# Altium PCB PyESPCar_Z1.PcbDoc
Units mm, origin at the board's own origin, x right, y up, seen from the top; angles counter-clockwise.
Board outline 90 x 86 mm, 2 copper layers (Top Layer, Bottom Layer); 52 components, 49 nets, 251 pads, 39 vias.
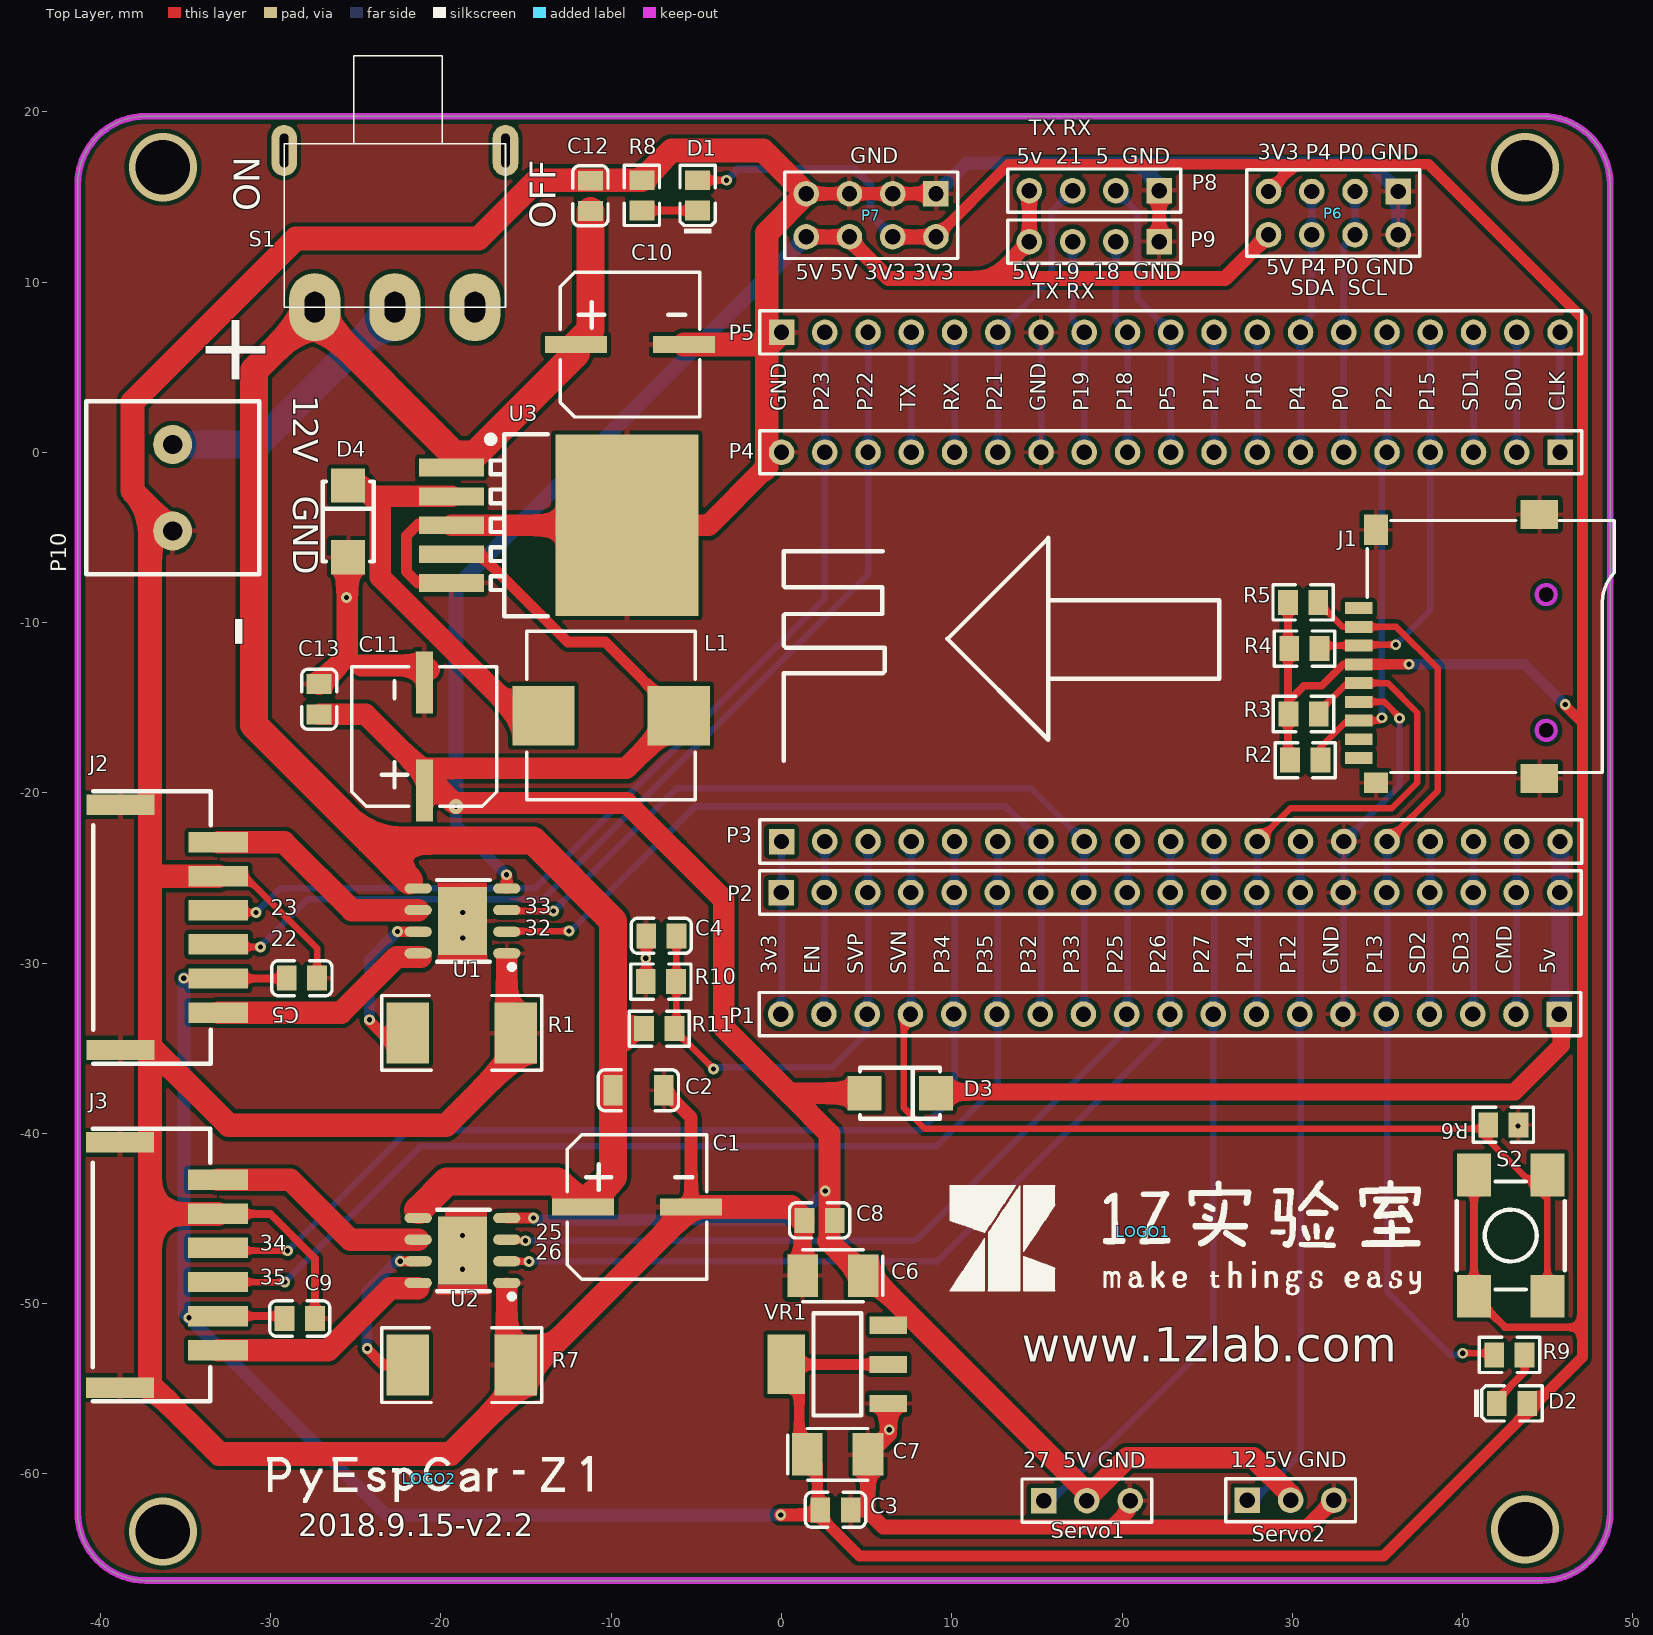
[diagram p0: Top Layer view]
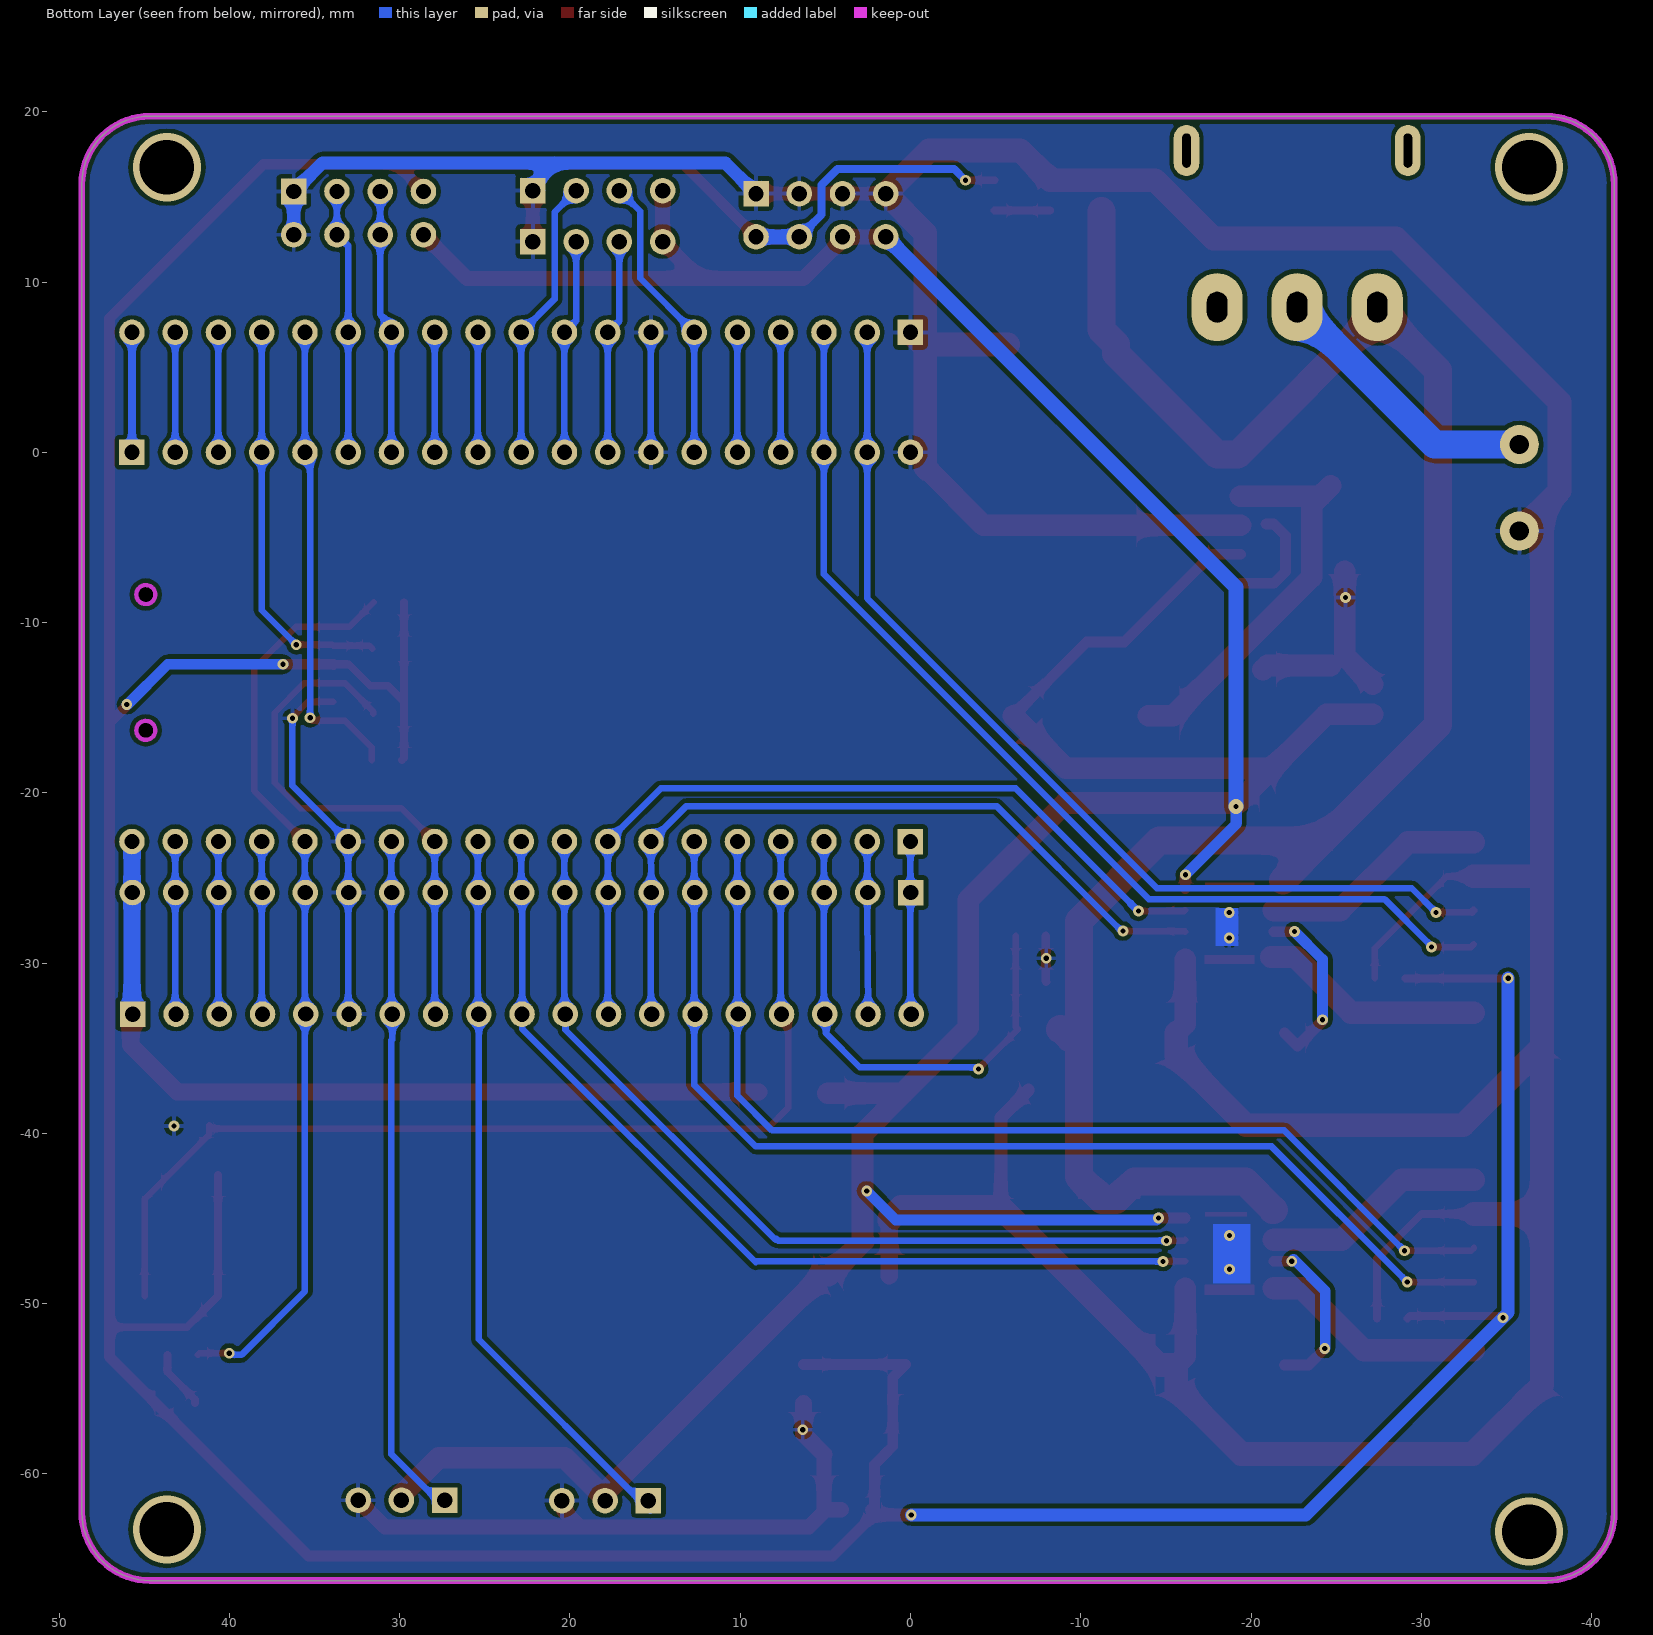
[diagram p1: Bottom Layer view, seen from below]

## Layer stack, top to bottom
Top Solder: solder mask 0.0102, Solder Resist, Dk 3.5
Top Layer: signal copper 0.0356
Dielectric1: core 0.32, FR-4, Dk 4.8
Bottom Layer: signal copper 0.0356
Bottom Solder: solder mask 0.0102, Solder Resist, Dk 3.5

## Board outline
-41.336,-62.262 ccw(c-37.336,-62.262) -37.336,-66.262 44.664,-66.262 ccw(c44.664,-62.262) 48.664,-62.262 48.664,15.738 ccw(c44.664,15.738) 44.664,19.738 -37.336,19.738 ccw(c-37.336,15.738) -41.336,15.738
cut-out: 44.348,-16.332 ccw(c44.907,-16.332) 44.907,-16.891 ccw(c44.907,-16.332) 45.466,-16.332 ccw(c44.907,-16.332) 44.907,-15.773 ccw(c44.907,-16.332)
cut-out: 44.348,-8.357 ccw(c44.907,-8.357) 44.907,-8.915 ccw(c44.907,-8.357) 45.466,-8.357 ccw(c44.907,-8.357) 44.907,-7.798 ccw(c44.907,-8.357)

## Design rules (kind name [scope] priority, off if disabled: settings)
Clearance [All] p1: gap=0.254 ignorepadtopadclearanceinfootprint=FALSE except(0: Arc-Hole Track-Hole SMDPad-Hole THPad-Hole Via-Hole Fill-Hole Poly-Hole Region-Hole Text-Hole)
HoleSize [All] p1: absolutevalues=TRUE maxlimit=5.08 minlimit=0.025 maxpercent=80.000 minpercent=20.000
PolygonConnect [All] p1: connectstyle=Relief reliefconductorwidth=0.254 reliefentries=4 polygonreliefangle="90 Angle" airgapwidth=0.254
RoutingVias [All] p1: holewidth=0.6 width=1 viastyle="Through Hole" minholewidth=0.025 minwidth=0.025 maxholewidth=0.711 maxwidth=1.27
SolderMaskExpansion [All] p1: expansion=0.102
Width [All] p1: maxlimit=1.651 minlimit=0.254 preferedwidth=1.27
29 further rules are at their usual default settings.

## Components (designator, comment, footprint, x,y, rotation, side; value= is the part's Value field where it differs from the comment)
C1 "220uF 35V" CAPM8485X103N -8.484,-44.323 r0 top value=220uF35V
C2 "4.7uF (475) 10% 50V" 1206_C -8.407,-37.465 r180 top
C3 "100nF(104) 10% 50V" 0805_C 3.17,-62.108 r180 top
C4 "100nF(104) 10% 50V" 0805_C -7.061,-28.397 r180 top
C5 "100nF(104) 10% 50V" 0805_C -28.169,-30.886 r180 top
C6 "22uF(226)±20% 10V" CAP-3528 3.017,-48.366 r180 top
C7 "22uF(226)±20% 10V" CAP-3528 3.297,-58.856 r0 top
C8 "100nF(104) 10% 50V" 0805_C 2.235,-45.11 r0 top
C9 "100nF(104) 10% 50V" 0805_C -28.296,-50.876 r180 top
C10 "220uF 35V" CAPM8485X103N -8.902,6.323 r0 top value=220uF35V
C11 "220uF 35V" CAPM8485X103N -20.98,-16.688 r90 top value=220uF35V
C12 "100nF(104) 10% 50V" 0805_C -11.227,15.062 r270 top
C13 "100nF(104) 10% 50V" 0805_C -27.153,-14.503 r270 top
D1 "红灯 0805" 0805_LED_S1 -4.928,15.088 r90 top
D2 "红灯 0805" 0805_LED_S1 42.901,-55.855 r0 top
D3 "SS54" SMA(DO-214AC)_S1 6.96,-37.643 r180 top
D4 "SS54" SMA(DO-214AC)_S1 -25.451,-4.064 r270 top
J1 "SDCARD-M" SDCARD-M 44.907,-11.405 r0 top locked
J2 "PH-PS-2.0-6" PH-PS-2.0-6 -40.421,-35.905 r90 top
J3 "PH-PS-2.0-6" PH-PS-2.0-6 -40.446,-55.729 r90 top
L1 "33uH ±20%" CAPM100100X103N -10.008,-15.469 r0 top value=33uH
LOGO1 "LOGO_1ZLAB" 1ZLAB_LOGO 21.234,-45.771 r0 top
LOGO2 "LOGO_CAR" car_logo -20.676,-60.274 r0 top
P1 "Header 19" HDR1X19 45.669,-32.995 r180 top locked
P2 "Header 19 排母" HDR1X19 -0.025,-25.857 r0 top
P3 "Header 19 排母" HDR1X19 0,-22.86 r0 top
P4 "Header 19 排母" HDR1X19 45.72,0 r180 top
P5 "Header 19" HDR1X19 0,7.04 r0 top
P6 "Header 4X2" HDR2X4 36.22,15.316 r180 top
P7 "Header 4X2" HDR2X4 9.068,15.189 r180 top
P8 "Header 4" HDR1X4 22.174,15.367 r180 top
P9 "Header 4" HDR1X4 22.174,12.37 r180 top
P10 "KF128-2P" HDR2X1_D1 -35.763,-2.083 r90 top
R1 "0.25Ω（2512）1W,1%" 2512 -18.79,-34.101 r180 top value=0.25Ω
R2 "10KΩ (1002) ±1%" 0805_R 30.758,-18.085 r0 top
R3 "10KΩ (1002) ±1%" 0805_R 30.657,-15.367 r0 top
R4 "10KΩ (1002) ±1%" 0805_R 30.708,-11.532 r0 top
R5 "10KΩ (1002) ±1%" 0805_R 30.631,-8.814 r0 top
R6 "1.5KΩ (1501) ±1%" 0805_R 42.393,-39.497 r180 top
R7 "0.25Ω（2512）1W,1%" 2512 -18.79,-53.608 r180 top value=0.25Ω
R8 "1.5KΩ (1501) ±1%" 0805_R -8.204,15.088 r270 top
R9 "1.5KΩ (1501) ±1%" 0805_R 42.749,-53.01 r0 top
R10 "1KΩ (1001) ±1%" 0805_R -7.087,-31.09 r0 top
R11 "10KΩ (1002) ±1%" 0805_R -7.182,-33.854 r180 top
S1 "SS-12D11-G6" SW-3 -22.428,14.072 r0 top
S2 "贴片 6*6*5 微动开关" SW_PB4_A1 42.824,-45.999 r270 top
Servo1 "Header 3" HDR1X3 15.392,-61.57 r0 top
Servo2 "Header 3" HDR1X3 27.356,-61.544 r0 top
U1 "A4950ELJTR-T" SOP-8_EP_150mil -18.739,-27.522 r90 top locked
U2 "A4950ELJTR-T" SOP-8_EP_150mil -18.739,-46.877 r90 top locked
U3 "LM2596T-5V(S)" TO-263-5 -19.384,-4.286 r180 top
VR1 "AMS1117-3.3" SOT-223 3.277,-53.569 r0 top

## Footprints (in the part's own frame and the unit in brackets; to place one, negate y for a bottom-side part, rotate by r counter-clockwise, add the part's x,y. Pads: shape width x height; smd on the part's side, far side on the other; paste and mask are expansions set on the pad)
1ZLAB_LOGO [mm]
  silkscreen extent -11.37,-3.72 16.31,3.02
0805_C [mm]
  rect 1.16x1.47 smd: 1(-0.89,0) 2(0.89,0)
  silkscreen extent -1.77,-1.04 1.77,1.04, body extent -1,-0.62 1,0.63, height 0.77
0805_LED_S1 [mm]
  rect 1.16x1.47 smd: A(0.89,0) K(-0.89,0)
  silkscreen extent -2.25,-1.04 1.77,1.03, body extent -1.01,-0.62 1.01,0.62, height 1.1
0805_R [mm]
  rect 1.16x1.47 smd: 1(-0.89,0) 2(0.89,0)
  silkscreen extent -1.77,-1.04 1.77,1.03, body extent -1,-0.62 1,0.63, height 0.49
1206_C [mm]
  rect 1.13x1.8 smd: 1(-1.49,0) 2(1.49,0)
  silkscreen extent -2.36,-1.2 2.36,1.2, body extent -1.6,-0.81 1.6,0.79, height 1
2512 [mm] "保险丝"
  rect 2.5x3.6 smd: 1(-3.175,0) 2(3.175,0)
  silkscreen extent -4.7,-2.2 4.7,2.2, body extent -3.18,-1.65 3.18,1.65, height 1.2
CAP-3528 [mm] "钽电容"
  rect 1.8x2.5 smd: 1(-1.778,0) 2(1.778,0)
  silkscreen extent -2.92,-1.52 1.78,1.52, body extent -1.91,-1.4 1.91,1.4, height 1.1
CAPM8485X103N [mm] "Molded Capacitor, 2-Leads, Body 8.40x8.50mm, IPC Medium Density"
  rect 3.65x1 smd: 1(-3.175,0) 2(3.175,0)
  silkscreen extent -4.1,-4.25 4.1,4.25, body extent -4.1,-4.2 4.1,4.2, height 10.3
CAPM100100X103N [mm] "Molded Capacitor, 2-Leads, Body 10.00x10.00mm, IPC Medium Density"
  rect 3.65x3.5 smd: 1(-3.975,0) 2(3.975,0)
  silkscreen extent -4.95,-4.95 4.95,4.95, body extent -4.9,-4.9 4.9,4.9, height 10.3
car_logo [mm]
  silkscreen extent -9.54,-1.38 9.54,1.3
HDR1X3 [mm] "Connector; Header; 3 Position"
  rect 1.5x1.5 hole 0.9: 1(0,0)
  round 1.5 hole 0.9: 2(2.54,0) 3(5.08,0)
  silkscreen extent -1.27,-1.27 6.35,1.27
HDR1X4 [mm] "Connector; Header; 4 Position"
  rect 1.5x1.5 hole 0.9: 1(0,0)
  round 1.5 hole 0.9: 2(2.54,0) 3(5.08,0) 4(7.62,0)
  silkscreen extent -1.27,-1.27 8.89,1.27
HDR1X19 [mm] "Connector; Header; 19 Position"
  rect 1.5x1.5 hole 0.9: 1(0,0)
  round 1.5 hole 0.9: 2(2.54,0) 3(5.08,0) 4(7.62,0) 5(10.16,0) 6(12.7,0) 7(15.24,0) 8(17.78,0) 9(20.32,0) 10(22.86,0) 11(25.4,0) 12(27.94,0) 13(30.48,0) 14(33.02,0) 15(35.56,0) 16(38.1,0) 17(40.64,0) 18(43.18,0) 19(45.72,0)
  silkscreen extent -1.27,-1.27 46.99,1.27
HDR2X1_D1 [mil] "5.08mm端子"
  round 90 hole 45: 1(-100,0) 2(100,0)
  silkscreen extent -200,-200 200,200
HDR2X4 [mm] "Connector; Header; 4x2 Position"
  rect 1.5x1.5 hole 0.9: 1(0,0)
  round 1.5 hole 0.9: 2(0,2.54) 3(2.54,0) 4(2.54,2.54) 5(5.08,0) 6(5.08,2.54) 7(7.62,0) 8(7.62,2.54)
  silkscreen extent -1.27,-1.27 8.89,3.81
PH-PS-2.0-6 [mm]
  rect 1.2x4 smd: 0(0.8,-1.6) 0(15.2,-1.6)
  rect 1.2x3.5 smd: 1(3,-7.35) 2(5,-7.35) 3(7,-7.35) 4(9,-7.35) 5(11,-7.35) 6(13,-7.35)
  silkscreen extent 0,-6.9 16,0
SDCARD-M [mm] "TF卡"
  rect 1.6x0.7 smd: 1(-11.008,2.25) 2(-11.008,1.15) 3(-11.008,0.05) 4(-11.008,-1.05) 5(-11.008,-2.15) 6(-11.008,-3.25) 7(-11.008,-4.35) 8(-11.008,-5.45) 9(-11.008,-6.55)
  rect 1.4x1.2 smd: 10(-10,-8.004)
  rect 2.2x1.7 smd: 11(-0.4,-7.75) 13(-0.4,7.75)
  rect 1.4x1.8 smd: 12(-10,6.85)
  silkscreen extent -10.5,-7.4 4,7.4
SMA(DO-214AC)_S1 [mm]
  rect 2x2 smd: 1(2.1,0) 2(-2.1,0)
  silkscreen extent -2.35,-1.5 2.35,1.5
SOP-8_EP_150mil [mm]
  rect 4x2.9 smd: 0(0,0)
  oval 0.6x1.6 smd: 1(-1.905,-2.6) 2(-0.635,-2.6) 3(0.635,-2.6) 4(1.905,-2.6) 5(1.905,2.6) 6(0.635,2.6) 7(-0.635,2.6) 8(-1.905,2.6)
  silkscreen extent -2.85,-3.05 2.4,1.5
SOT-223 [mm]
  rect 2.2x1 smd: 1(3,-2.3) 2(3,0) 3(3,2.3)
  rect 2.2x3.5 smd: 2(-3,0)
  silkscreen extent -1.4,-3 1.4,3, body extent -3.49,-3.24 3.49,3.24, height 1.64
SW-3 [mm]
  oval 1.5x3 hole 0.5 slot 2 at 90 deg: 0(-6.784,3.649) 0(6.216,3.649)
  oval 3x4 hole 1.2 slot 1.8 at 90 deg: 1(-4.984,-5.551) 2(-0.284,-5.551) 3(4.416,-5.551)
  silkscreen extent -6.78,-5.55 6.22,9.22
SW_PB4_A1 [mm]
  rect 2.5x2 smd: 1(-3.556,2.159) 2(-3.556,-2.159) 3(3.556,-2.159) 4(3.556,2.159)
  silkscreen extent -3.18,-3.18 3.18,3.18, body extent -3.18,-3.17 3.18,3.18, height 6
TO-263-5 [mm]
  rect 8.4x10.65 smd: 0(-10.3,0)
  rect 3.8x1.05 smd: 1(0,-3.4) 2(0,-1.7) 3(0,0) 4(0,1.7) 5(0,3.4)
  silkscreen extent -5.65,-5.35 -2.1,5.35

## Part data
C1: library part "Cap Pol1", "贴片电解电容", LatestRevisionDate=17-Jul-2002, LatestRevisionNote="Re-released for DXP Platform.", PackageDescription="Polarized Capacitor (Radial); 2 Leads", PackageReference=RB7.6-15, Published=8-Jun-2000, Publisher="Altium Limited"
C2: library part "1206 4.7uF (475) 10% 50V", "贴片电容", Package=1206, SuppliersPartNumber=C29823, ComponentLink1Description=供应商链接, ComponentLink1URL=http://www.szlcsc.com/product/details_30577.html, Supplier=LC
C3 C4 C5 C8 C9 C12 C13: library part "0805 100nF(104) 10% 50V", "贴片电容", Package=0805, SuppliersPartNumber=C49678, ComponentLink1Description=供应商链接, ComponentLink1URL=http://www.szlcsc.com/product/details_50686.html, Supplier=LC
C6 C7: library part "Cap Pol", "钽电容", LatestRevisionDate=17-Jul-2002, LatestRevisionNote="Re-released for DXP Platform.", PackageReference=RB7.6-15, Published=8-Jun-2000, Publisher="Altium Limited", Vol=16V
C10 C11: library part "Cap Pol1", "贴片铝解电容", LatestRevisionDate=17-Jul-2002, LatestRevisionNote="Re-released for DXP Platform.", PackageDescription="Polarized Capacitor (Radial); 2 Leads", PackageReference=RB7.6-15, Published=8-Jun-2000, Publisher="Altium Limited"
D1 D2: library part "0805 红灯", "发光二极管", Package=0805, SuppliersPartNumber=C2295, ComponentLink1Description=供应商链接, ComponentLink1URL=http://www.szlcsc.com/product/details_2668.html, Supplier=LC
D3 D4: library part "SMA(DO-214AC) SS54", "二极管", Package=SMA(DO-214AC), SuppliersPartNumber=C22452, ComponentLink1Description=供应商链接, ComponentLink1URL=http://www.szlcsc.com/product/details_23178.html, Supplier=LC
J1: "TF卡槽"
L1: library part Inductor, "功率电感 MS104R-330MT", Code_IEC=1005, Code_JEITA=0402, LatestRevisionDate=29-May-2009, LatestRevisionNote="IPC-7351 Footprint Added.", PackageDescription="Chip Inductor", PackageReference=0402-A, Published=8-Jun-2000, Publisher="Altium Limited"
P1 P5: "Header, 19-Pin 排针", LatestRevisionDate=17-Jul-2002, LatestRevisionNote="Re-released for DXP Platform.", Publisher="Altium Limited"
P2 P3 P4: library part "Header 19", "Header, 19-Pin 排母", LatestRevisionDate=17-Jul-2002, LatestRevisionNote="Re-released for DXP Platform.", Publisher="Altium Limited"
P6 P7: "Header, 4-Pin, Dual row", LatestRevisionDate=17-Jul-2002, LatestRevisionNote="Re-released for DXP Platform.", Publisher="Altium Limited"
P8 P9: "Header, 4-Pin", LatestRevisionDate=17-Jul-2002, LatestRevisionNote="Re-released for DXP Platform.", Publisher="Altium Limited"
P10: library part "Header 2", "5.08mm端子", LatestRevisionDate=17-Jul-2002, LatestRevisionNote="Re-released for DXP Platform.", Publisher="Altium Limited"
R1 R7: library part Res3, "超低阻值电阻", LatestRevisionDate=29-May-2009, LatestRevisionNote="IPC-7351 Footprint Added.", PackageDescription="Chip Resistor", PackageReference=J1-0603, Published=8-Jun-2000, Publisher="Altium Limited"
R2 R3 R4 R5 R10 R11: library part "0805 1KΩ (1001) 1%", "贴片电阻", Package=0805, SuppliersPartNumber=C17513, ComponentLink1Description=供应商链接, ComponentLink1URL=http://www.szlcsc.com/product/details_18201.html, Supplier=LC
R6 R8 R9: library part "0603 1.5KΩ (1501) 1%", "贴片电阻", Package=0603, SuppliersPartNumber=C22843, ComponentLink1Description=供应商链接, ComponentLink1URL=http://www.szlcsc.com/product/details_23570.html, Supplier=LC
S1: library part SW-SPDT, "拨动开关2档带固定脚黑色短柄 3脚侧", ComponentLink1Description="Manufacturer Link", ComponentLink1URL=http://www.apem.com, DatasheetVersion=05-Dec-2000, LatestRevisionDate=17-Dec-2003, LatestRevisionNote="Schematic revised, PCB Footprint replaced.", PackageDescription="Switch; 4 Leads", PackageReference=TL36WW15050, Published=24-Mar-1999, Publisher="Altium Limited"
S2: library part SW-PB4, LatestRevisionDate=17-Jul-2002, LatestRevisionNote="Re-released for DXP Platform.", PackageReference=SPST-2, Published=24-Mar-1999, Publisher="Altium Limited"
Servo1 Servo2: "Header, 3-Pin", LatestRevisionDate=17-Jul-2002, LatestRevisionNote="Re-released for DXP Platform.", Publisher="Altium Limited"
U1: library part A4950, "A4950 电机驱动"
U2: library part A4950, "A4950电机驱动"
U3: "稳压芯片"
VR1: library part "SOT-223 AMS1117-3.3", "低压差线性稳压(LDO)", Package=SOT-223, SuppliersPartNumber=C6186, ComponentLink1Description=供应商链接, ComponentLink1URL=http://www.szlcsc.com/product/details_6652.html, Supplier=LC

## Via types
v1: diameter 0.635, hole 0.305, Top Layer to Bottom Layer, 34 vias
v2: diameter 4, hole 3.2, Top Layer to Bottom Layer, 4 vias
v3: diameter 0.889, hole 0.305, Top Layer to Bottom Layer, 1 vias

## Nets (pads, with @x,y where several pads share a name; then routed paths per layer and width w, separated by ;. In a path a pad name is that pad's centre, name@x,y a point inside that pad or via, vN(x,y) a via of type N, cw(c..) or ccw(c..) an arc to the next point about the centre after c; other vN are vias at no path point)
3.3v: P1.19 P2.1 P3.1 | length 10.2
  Bottom Layer w0.381: P1.19@-0.127,-33 0,-32.873 P3.1
3V3: C3.2 C5.2 C7.1 C9.2 D1.A D2.A J1.4 J2.2 J3.2 P6.7 P7.2 P7.4 R2.1 R3.1 R4.1 R5.1 S2.2 S2.3 VR1.2 | length 309.4
  Top Layer w0.457: v1@-35.084,-30.905 J2.2 -29.077,-30.905 C5.2 ; J3.2@-34.702,-50.729 J3.2 -29.332,-50.729 C9.2 ; D1.A v1(-3.225,15.978) ; R5.1 29.741,-14.605 ; R2.1 29.741,-17.958 29.741,-14.605 ; J1.4 32.986,-12.455 31.725,-13.716 30.683,-13.716 29.794,-14.605 29.741,-14.605 ; S2.2 S2.3 42.494,-51.384 47.042,-51.384
  Top Layer w0.635: VR1.2@6.277,-53.569 0.277,-53.569 1.041,-54.333 1.041,-58.379 C7.1 1.519,-58.872 2.108,-59.461 2.108,-61.936 C3.2 2.28,-62.529 4.572,-64.821 35.357,-64.821 47.042,-53.136 47.042,-51.384 47.042,-15.824 ; P7.2 13.335,16.916 30.201,16.916 ; P6.7 30.201,16.916 ; J1.4 33.916,-12.471 33.941,-12.446 v1(36.855,-12.446) ; v1(46.025,-14.808) 46.025,-14.884 46.965,-15.824 ; 47.042,-15.799 47.042,7.871 37.996,16.916 30.201,16.916
  Top Layer w0.762: v1(-0.051,-62.408) 1.98,-62.408 C3.2
  Top Layer w0.889: P7.4 P7.2
  Bottom Layer w0.457: v1(-3.225,15.978) -2.565,16.637 4.283,16.637 5.22,15.7 5.22,13.957 P7.4
  Bottom Layer w0.635: v1(36.855,-12.446) 43.578,-12.446 43.604,-12.471 43.62,-12.455 45.974,-14.808 v1(46.025,-14.808)
  Bottom Layer w0.762: v1(-35.103,-30.886) -35.103,-50.521 v1(-34.798,-50.825) -23.216,-62.408 v1(-0.051,-62.408)
  Bottom Layer w0.889: P7.4 P7.2
5V: C6.1 C8.2 C11.1 C13.2 D3.1 L1.2 P6.8 P7.6 P7.8 P8.4 P9.4 Servo1.2 Servo2.2 U1.4 U2.4 U3.4 VR1.3 | length 227.1
  Top Layer w0.635: U3.4 -17.717,-5.986 -12.553,-11.151 -10.351,-11.151 L1.2 ; v1(-16.154,-24.816) -16.139,-24.831 U1.4 ; U2.4 v1(-14.565,-44.972) ; v1(2.565,-43.383) v1@2.565,-43.282
  Top Layer w0.889: P7.8 3.835,12.649 6.274,10.211 12.395,10.211 ; P8.4 P9.4 12.395,10.211 ; P6.8 26.035,10.211 12.395,10.211
  Top Layer w1.27: C13.2 -24.434,-15.393 v3@-19.228,-20.599 ; C11.1@-21.133,-18.517 -21.082,-18.567 -9.131,-18.567 L1.2 ; v3@-19.126,-20.599 -9.093,-20.599 -3.404,-26.289 -3.404,-33.807 0.47,-37.681 ; v1@2.814,-43.383 2.814,-46.214 2.729,-46.299 C6.1 5.212,-48.366 Servo1.2@17.831,-60.985 ; v1@2.814,-43.282 2.814,-40.025 0.47,-37.681 ; D3.1 0.508,-37.643 0.47,-37.681 ; Servo1.2@17.856,-61.493 20.295,-59.055 27.711,-59.055 29.896,-61.239 Servo2.2
  Bottom Layer w0.635: v3(-19.126,-20.803) -19.126,-21.844 v1(-16.154,-24.816) ; v1(-14.565,-44.972) -14.453,-45.085 0.864,-45.085 v1(2.565,-43.383)
  Bottom Layer w0.889: v3(-19.126,-20.803) -19.126,-7.925 P7.8
5VIN: D3.2 P1.1 P2.19 P3.19 | length 50.1
  Top Layer w1.016: D3.2@8.89,-37.567 43.053,-37.567 45.796,-34.823 45.796,-33.198 P1.1@45.593,-32.995
  Bottom Layer w1.016: P1.1@45.72,-32.995 P3.19
12IN: P10.2 S1.2 | length 16.4
  Bottom Layer w1.651: P10.2 -30.776,0.457 S1.2
12V: C1.1 C2.2 C10.1 C12.2 R11.2 S1.1 U1.5 U2.5 U3.1 | length 114.5
  Top Layer w1.651: S1.1 S1.1@-27.413,8.376 ; S1.1@-27.34,8.448 S1.1@-27.413,8.376 ; -21.869,-25.146 -24.206,-22.809 ; -21.339,-44.502 -21.269,-44.502 -21.269,-44.43 -19.663,-42.824 -13.157,-42.824 -12.065,-43.917 -11.252,-43.917 -9.897,-42.562 C2.2 -9.897,-27.517 -14.605,-22.809 -24.206,-22.809 ; C12.2 -11.227,7.173 C10.1 -12.077,5.805 -18.003,-0.122 -19.233,-0.122 -27.413,8.058 S1.1@-27.413,8.376 ; -9.368,-34.413 -8.839,-33.884 -8.788,-33.884 ; S1.1@-27.413,8.376 -30.988,4.801 -30.988,-16.027 -24.206,-22.809
ADC: C4.1 P1.17 P2.3 P3.3 R10.2 R11.1 | length 30
  Top Layer w0.381: C4.1 -6.171,-33.733 R11.1 -6.292,-33.916 v1(-3.988,-36.22)
  Bottom Layer w0.381: v1(-3.988,-36.22) -3.886,-36.119 2.972,-36.119 4.953,-34.138 4.953,-33.223 5.08,-33.096 P3.3
AO1: J2.6 U1.6 | length 13.4
  Top Layer w1.321: J2.6 -29.216,-22.905 -25.233,-26.887 U1.6
AO2: J2.1 U1.8 | length 13.2
  Top Layer w1.321: J2.1 -25.869,-32.905 -22.606,-29.642 U1.8@-21.184,-29.642
BNT: P1.16 P2.4 P3.4 R6.2 S2.1 S2.4 | length 62.2
  Top Layer w0.381: P1.16 7.29,-32.995 7.188,-33.096 7.188,-38.506 8.407,-39.726 40.969,-39.726 41.172,-39.522 41.172,-40.055 44.983,-43.866 S2.4
  Bottom Layer w0.381: P1.16@7.62,-32.995 P3.4
BO1: J3.6 U2.6 | length 13.2
  Top Layer w1.321: J3.6 -28.848,-42.729 -25.335,-46.242 U2.6
BO2: J3.1 U2.8 | length 13.3
  Top Layer w1.321: J3.1 -26.618,-52.729 -22.987,-49.098 -21.336,-49.098
CLK: P4.1 P5.19 | length 7
  Bottom Layer w0.457: P4.1 P5.19
CMD: P1.2 P2.18 P3.18 | length 10.2
  Bottom Layer w0.381: P1.2 43.18,-32.944 P3.18
GND: C1.2 C2.1 C3.1 C4.2 C5.1 C6.2 C7.2 C8.1 C9.1 C10.2 C11.2 C12.1 C13.1 D4.1 J1.6 J1.10 J1.11 J1.12 J1.13 J2.0 J2.5 J3.0 J3.5 P1.6 P2.14 P3.14 P4.13 P4.19 P5.1 P5.7 P6.1 P6.2 P7.1 P7.3 P7.5 P7.7 P8.1 P9.1 P10.1 R1.1 R6.1 R7.1 R8.1 R10.1 Servo1.3 Servo2.3 U1.0 U1.1 U2.0 U2.1 U3.0 U3.3 U3.5 VR1.1 | length 401.1
  Top Layer w0.381: J2.5 -31.508,-24.905 -27.279,-29.135 C5.1 ; J1.6 35.392,-14.655 36.297,-15.559 v1(36.297,-15.621)
  Top Layer w0.457: J3.5 -30.023,-44.729 -27.406,-47.347 C9.1
  Top Layer w0.508: R10.1 -7.951,-31.064 C4.2
  Top Layer w0.635: U3.3@-20.879,-4.216 -21.336,-4.216 -22.022,-4.902 -22.022,-7.01 -21.346,-7.686 U3.5
  Top Layer w0.762: C2.1 -5.309,-39.074 C1.2 ; P7.7 P7.5 P7.3 P7.1 ; P9.1 P8.1
  Top Layer w0.889: C3.1 4.796,-62.108 5.075,-61.829 ; C7.2 5.075,-61.829 ; 19.431,-63.094 Servo1.3@20.371,-62.154 ; Servo2.3 30.861,-63.119 5.969,-63.119 5.075,-62.225 5.075,-61.829
  Top Layer w1.016: C6.2 1.239,-45.216 C8.1 ; C7.2 6.277,-57.655 VR1.1
  Top Layer w1.27: C13.1 -25.502,-11.962 D4.1@-25.502,-6.983 ; -24.683,-12.522 -20.955,-12.522 C11.2@-20.701,-12.776 ; U3.3 U3.0 -4.286,-4.286 -1.003,-1.003 ; -16.139,-49.098 -16.139,-53.084 R7.1 ; -16.139,-29.769 -16.139,-33.577 R1.1
  Top Layer w1.397: P10.1 -37.084,-3.302 ; J3.5 -37.084,-44.729 ; J2.5 -37.071,-24.905 -37.084,-24.892 ; R1.1 -15.615,-35.427 -19.71,-39.522 -32.461,-39.522 -36.878,-35.105 J2.0@-37.084,-35.105 ; C10.2 -0.864,6.323 ; -1.003,-1.003 -0.864,-0.864 -0.864,6.323 ; -0.864,7.04 -0.864,12.878 P7.7 -1.092,17.729 -6.453,17.729 R8.1 -14.375,15.978 -17.805,12.548 -28.524,12.548 -38.125,2.946 -38.125,-2.261 -37.084,-3.302 ; P5.1 -0.718,6.323 -0.864,6.323 ; C8.1@1.227,-45.11 1.227,-44.992 0.558,-44.323 C1.2 -14.594,-53.608 R7.1 -15.615,-55.01 -19.431,-58.826 -33.02,-58.826 -37.084,-54.762 -37.084,-44.729 ; -37.084,-44.729 J2.0@-37.084,-35.105 ; J2.0@-37.084,-35.105 -37.084,-24.892 ; -37.084,-24.892 -37.084,-3.302
  Bottom Layer w0.381: P4.13 P5.7 ; P1.6 33.02,-32.944 33.02,-26 P3.14 36.297,-19.583 v1(36.297,-15.621)
  Bottom Layer w0.762: P7.1 10.871,16.993 20.879,16.993 ; P8.1 22.174,15.697 20.879,16.993 ; P6.2 P6.1 34.544,16.993 20.879,16.993
  other v1: 6.325,-57.404 -18.745,-47.981 -18.745,-45.999 43.256,-39.573 -7.976,-29.718 -18.72,-28.524 -18.72,-27.026 -25.552,-8.534
NetD1_K: D1.K R8.2 | length 3.3
  Top Layer w0.457: R8.2 D1.K
NetD2_K: D2.K R9.2 | length 3.5
  Top Layer w0.457: D2.K 42.011,-55.637 43.639,-54.008 R9.2
NetD4_2: D4.2 L1.1 U3.2 | length 23.5
  Top Layer w1.27: D4.2@-24.683,-1.964 -24.06,-2.586 ; U3.2 -24.06,-2.586 ; L1.1 -15.418,-15.469 -23.562,-7.325 -23.562,-3.085 -24.06,-2.586
NetP1_18: P1.18 P2.2 P3.2 | length 10.2
  Bottom Layer w0.381: P1.18@2.438,-33 P1.18 2.534,-26.822 2.54,-26 P3.2
NetR1_2: R1.2 U1.7 | length 10.4
  Top Layer w0.635: v1(-24.206,-33.325) -24.206,-33.406 -22.738,-34.874 R1.2 ; v1(-22.555,-28.143) -22.541,-28.157 U1.7
  Bottom Layer w0.635: v1(-24.206,-33.325) -24.206,-29.769 -24.181,-29.769 v1(-22.555,-28.143)
NetR7_2: R7.2 U2.7 | length 10
  Top Layer w0.635: v1(-24.333,-52.629) -24.333,-52.654 -23.379,-53.608 R7.2 ; v1(-22.389,-47.512) U2.7
  Bottom Layer w0.635: v1(-24.333,-52.629) -24.359,-52.603 -24.359,-49.251 -22.504,-47.396 v1(-22.389,-47.512)
P0: P4.6 P5.14 P6.3 P6.4 | length 15.6
  Bottom Layer w0.381: P4.6 P5.14 33.02,12.116 P6.4 P6.3
P2: J1.7 P4.5 P5.15 R2.2 | length 27.9
  Top Layer w0.381: R2.2 31.648,-17.327 33.221,-15.755 J1.7 35.135,-15.755 35.255,-15.634 v1(35.255,-15.596)
  Bottom Layer w0.381: v1(35.255,-15.596) 35.255,-0.33 35.56,-0.025 P4.5 P5.15
P4: P4.7 P5.13 P6.5 P6.6 | length 15.2
  Bottom Layer w0.381: P4.7 P5.13 ; P5.13@30.48,7.442 31.14,8.103 P6.6 P6.5
P5: P4.10 P5.10 P8.2 | length 16.7
  Bottom Layer w0.381: P8.2 20.904,14.097 20.904,8.996 P5.10 P4.10
P12: P1.7 P2.13 P3.13 Servo2.1 | length 40.5
  Bottom Layer w0.381: Servo2.1@27.356,-61.976 30.48,-58.852 30.48,-34.544 30.429,-34.493 P1.7 30.48,-32.944 P3.13
P13: J1.2 P1.5 P2.15 P3.15 R5.2 R9.1 | length 54.4
  Top Layer w0.381: R5.2 32.962,-10.255 J1.2 36.097,-10.255 38.532,-12.689 38.532,-19.888 P3.15 ; v1(40.005,-52.908) 41.758,-52.908 R9.1
  Bottom Layer w0.381: P3.15 35.56,-49.276 39.294,-53.01 40.005,-53.01 v1(40.005,-52.908)
P14: J1.5 P1.8 P2.12 P3.12 R3.2 | length 32.4
  Top Layer w0.381: P3.12 29.896,-20.904 35.839,-20.904 37.338,-19.406 37.338,-15.291 35.602,-13.555 J1.5 33.221,-13.555 31.547,-15.228 R3.2
  Bottom Layer w0.381: P1.8 27.94,-32.944 P3.12
P15: J1.3 P4.4 P5.16 R4.2 | length 23.8
  Top Layer w0.381: R4.2 31.775,-11.355 J1.3 33.951,-11.303 v1(36.068,-11.303)
  Bottom Layer w0.381: v1(36.068,-11.303) 38.1,-9.271 P4.4 P5.16
P16: P4.8 P5.12 | length 7
  Bottom Layer w0.381: P4.8 P5.12
P17: P4.9 P5.11 | length 7
  Bottom Layer w0.381: P4.9 P5.11
P18: P4.11 P5.9 P9.2 | length 12.7
  Bottom Layer w0.381: P9.2 19.634,7.726 P5.9 P4.11
P19: P4.12 P5.8 P9.3 | length 15.9
  Bottom Layer w0.381: P9.3 17.094,7.726 P5.8 P4.12 17.78,3.204
P21: P4.14 P5.6 P8.3 | length 17.2
  Bottom Layer w0.381: P4.14 P5.6 15.875,10.215 15.875,14.148 P8.3
P22: J2.3 P4.17 P5.3 | length 61.6
  Top Layer w0.381: J2.3 -32.893,-29.083 -32.868,-29.058 v1(-30.607,-29.058)
  Bottom Layer w0.381: v1@-30.518,-29.146 -30.518,-28.918 -27.838,-26.238 -13.995,-26.238 5.08,-7.163 P4.17 P5.3
P23: J2.4 P4.18 P5.2 | length 58.9
  Top Layer w0.381: J2.4@-32.976,-27 -32.95,-27.026 v1(-30.861,-27.026)
  Top Layer w0.457: J2.4 J2.4@-32.976,-27
  Bottom Layer w0.381: v1(-30.861,-27.026) -29.439,-25.603 -14.478,-25.603 2.54,-8.585 P4.18 P5.2
P25: P1.11 P2.9 P3.9 U2.3 | length 52.7
  Top Layer w0.381: U2.3 -16.077,-46.304 v1(-15.037,-46.304)
  Bottom Layer w0.381: v1(-15.037,-46.304) 7.772,-46.304 7.874,-46.203 7.925,-46.253 20.269,-33.909 P1.11 ; P1.11@20.32,-32.995 P3.9
P26: P1.10 P2.10 P3.10 U2.2 | length 55.7
  Top Layer w0.381: U2.2 -14.845,-47.512 v1(-14.834,-47.523)
  Bottom Layer w0.381: v1(-14.834,-47.523) 9.042,-47.523 9.093,-47.574 22.809,-33.858 P1.10 22.809,-26.051 22.86,-26 P3.10
P27: P1.9 P2.11 P3.11 Servo1.1 | length 43.5
  Bottom Layer w0.381: Servo1.1@15.291,-62.154 25.349,-52.095 P1.9 ; P1.9@25.4,-32.995 P3.11
P32: P1.13 P2.7 P3.7 U1.2 | length 45.5
  Top Layer w0.381: U1.2 -16.099,-28.118 v1(-12.474,-28.118)
  Bottom Layer w0.381: v1(-12.474,-28.118) -12.435,-28.157 -5.055,-20.777 13.157,-20.777 P3.7 15.227,-25.5 15.226,-25.68 15.225,-25.857 P2.7@15.224,-26 ; P1.13 15.24,-32.944 P2.7@15.24,-26
P33: P1.12 P2.8 P3.8 U1.3 | length 48.4
  Top Layer w0.381: U1.3 -16.077,-26.949 v1(-13.386,-26.949)
  Bottom Layer w0.381: -12.941,-26.505 -6.172,-19.736 14.656,-19.736 P3.8 17.767,-25.5 17.766,-25.68 17.765,-25.857 P2.8@17.764,-26 ; P1.12 17.78,-32.944 P2.8@17.78,-26
  Bottom Layer w0.457: v1(-13.386,-26.949) -12.941,-26.505
P34: J3.4 P1.15 P2.5 P3.5 | length 62
  Top Layer w0.381: J3.4 -32.937,-46.888 v1(-29.007,-46.888)
  Bottom Layer w0.381: v1(-29.007,-46.888) -21.946,-39.827 8.128,-39.827 10.16,-37.795 P3.5
P35: J3.3 P1.14 P2.6 P3.6 | length 64.9
  Top Layer w0.381: J3.3 v1(-29.171,-48.729)
  Bottom Layer w0.381: v1(-29.171,-48.729) -21.209,-40.767 9.093,-40.767 12.7,-37.16 P3.6
RX: P4.15 P5.5 | length 7
  Bottom Layer w0.381: P4.15 P5.5
SD0: P4.2 P5.18 | length 7
  Bottom Layer w0.381: P4.2 P5.18
SD1: P4.3 P5.17 | length 7
  Bottom Layer w0.381: P4.3 P5.17
SD2: P1.4 P2.16 P3.16 | length 10.2
  Bottom Layer w0.381: P1.4 38.1,-32.944 P3.16
SD3: P1.3 P2.17 P3.17 | length 10.2
  Bottom Layer w0.381: P1.3 40.64,-32.944 P3.17
TX: P4.16 P5.4 | length 7
  Bottom Layer w0.381: P4.16 P5.4
pads on no net: J1.1 J1.8 J1.9 S1.0 S1.3
copper on no net:
  other v2: -36.337,-63.39 43.663,-63.262 -36.337,16.738 43.663,16.738

## Polygon pours and split planes (outlines as drawn)
GND on Top Layer "Bottom Layer-No Net" (solid, remove dead copper, pour order 8): -41.935,20.396 49.073,20.396 49.505,19.964 49.505,-66.827 49.301,-67.031 -42.367,-67.031
GND on Bottom Layer "Bottom Layer-No Net" (solid, remove dead copper, pour order 10): -41.326,20.142 48.819,20.142 49.276,20.599 49.505,20.371 49.505,-66.294 -41.097,-66.294 -41.326,-66.065

## Keep-outs
Keep-Out Layer:
  circle w0.254: c44.907,-8.357 r0.559
  circle w0.254: c44.907,-16.332 r0.559
  pour cut-out: 44.348,-8.357 ccw(c44.907,-8.357) 44.907,-8.915 ccw(c44.907,-8.357) 45.466,-8.357 ccw(c44.907,-8.357) 44.907,-7.798 ccw(c44.907,-8.357)
  pour cut-out: 44.348,-16.332 ccw(c44.907,-16.332) 44.907,-16.891 ccw(c44.907,-16.332) 45.466,-16.332 ccw(c44.907,-16.332) 44.907,-15.773 ccw(c44.907,-16.332)
  lines w0.4: -41.336,-62.262 ccw(c-37.336,-62.262) -37.336,-66.262 44.664,-66.262 ccw(c44.664,-62.262) 48.664,-62.262 48.664,15.738 ccw(c44.664,15.738) 44.664,19.738 -37.336,19.738 ccw(c-37.336,15.738) -41.336,15.738 -41.336,-62.262

## Other copper
Top Layer:
  rectangle net GND: -20.193,-25.527 -17.289,-25.263
  rectangle net GND: -20.193,-30.048 -17.272,-29.515
  rectangle net GND: -19.753,-44.882 -17.297,-44.613
  rectangle net GND: -20.193,-49.479 -17.272,-48.87
Bottom Layer:
  rectangle net GND: -19.964,-48.819 -17.755,-45.314
  rectangle net GND: -19.277,-29.007 -17.907,-26.767

## Silkscreen, mask and mechanical layers (free items; w line width, h text height)
Top Overlay:
  lines w0.254: 0.127,-18.11 0.127,-12.979 5.944,-12.979 6.071,-12.852 6.071,-11.481 0.254,-11.481 0.127,-11.354 0.127,-9.576 0.203,-9.5 5.842,-9.5 5.918,-9.5 5.918,-7.925 0.203,-7.925 0.127,-7.849 0.127,-5.817 5.944,-5.817 ; 15.659,-16.878 9.741,-10.96 15.672,-5.029 15.672,-16.866 ; 15.697,-8.687 25.705,-8.687 25.705,-13.31 15.748,-13.31
  text "TX RX" at 14.529,18.313 h1.52
  text "3V3 P4 P0 GND" at 27.972,16.896 h1.52
  text "GND" at 4.045,16.692 h1.52
  text "5v  21  5  GND" at 13.818,16.637 h1.52
  text "ON" at -30.658,14.148 h1.52 r90
  text "OFF" at -13.259,13.132 h1.52 r90
  text "5V P4 P0 GND" at 28.454,10.139 h1.52
  text "5V  19  18  GND" at 13.538,9.855 h1.52
  text "5V 5V 3V3 3V3" at 0.844,9.834 h1.52
  text "SDA  SCL" at 29.896,8.941 h1.52
  text "TX RX" at 14.732,8.712 h1.52
  text "+" at -30.281,3.664 h4.06 r90
  text "12V   GND" at -29.189,3.359 h2.54 r270
  text "GND" at 0.559,2.413 h1.52 r90
  text "P23" at 3.099,2.413 h1.52 r90
  text "P22" at 5.639,2.413 h1.52 r90
  text "TX" at 8.179,2.413 h1.52 r90
  text "RX" at 10.719,2.413 h1.52 r90
  text "P21" at 13.259,2.413 h1.52 r90
  text "GND" at 15.799,2.413 h1.52 r90
  text "P19" at 18.339,2.413 h1.52 r90
  text "P18" at 20.879,2.413 h1.52 r90
  text "P5" at 23.419,2.413 h1.52 r90
  text "P17" at 25.959,2.413 h1.52 r90
  text "P16" at 28.499,2.413 h1.52 r90
  text "P4" at 31.039,2.413 h1.52 r90
  text "P0" at 33.579,2.413 h1.52 r90
  text "P2" at 36.119,2.413 h1.52 r90
  text "P15" at 38.659,2.413 h1.52 r90
  text "SD1" at 41.199,2.413 h1.52 r90
  text "SD0" at 43.739,2.413 h1.52 r90
  text "CLK" at 46.279,2.413 h1.52 r90
  text "-" at -30.358,-11.525 h4.06 r90
  text "33" at -15.088,-27.407 h1.52
  text "23" at -29.997,-27.483 h1.52
  text "32" at -15.088,-28.677 h1.52
  text "22" at -29.997,-29.312 h1.52
  text "3v3" at 0,-30.658 h1.52 r90
  text "EN" at 2.54,-30.658 h1.52 r90
  text "SVP" at 5.08,-30.658 h1.52 r90
  text "SVN" at 7.62,-30.658 h1.52 r90
  text "P34" at 10.16,-30.658 h1.52 r90
  text "P35" at 12.7,-30.658 h1.52 r90
  text "P32" at 15.24,-30.658 h1.52 r90
  text "P33" at 17.78,-30.658 h1.52 r90
  text "P25" at 20.32,-30.658 h1.52 r90
  text "P26" at 22.86,-30.658 h1.52 r90
  text "P27" at 25.4,-30.658 h1.52 r90
  text "P14" at 27.94,-30.658 h1.52 r90
  text "P12" at 30.48,-30.658 h1.52 r90
  text "GND" at 33.02,-30.658 h1.52 r90
  text "P13" at 35.56,-30.658 h1.52 r90
  text "SD2" at 38.1,-30.658 h1.52 r90
  text "SD3" at 40.64,-30.658 h1.52 r90
  text "CMD" at 43.18,-30.658 h1.52 r90
  text "5v" at 45.72,-30.658 h1.52 r90
  text "25" at -14.427,-46.533 h1.52
  text "34" at -30.632,-47.193 h1.52
  text "26" at -14.478,-47.727 h1.52
  text "35" at -30.632,-49.174 h1.52
  text "www.1zlab.com" at 14.097,-54.077 h3.5
  text "12 5V GND" at 26.391,-59.893 h1.52
  text "27  5V GND" at 14.199,-59.944 h1.52
  text "2018.9.15-v2.2" at -28.372,-64.11 h2.29